# Altium PCB PCB1.PcbDoc (part 1 of 2) (continued)
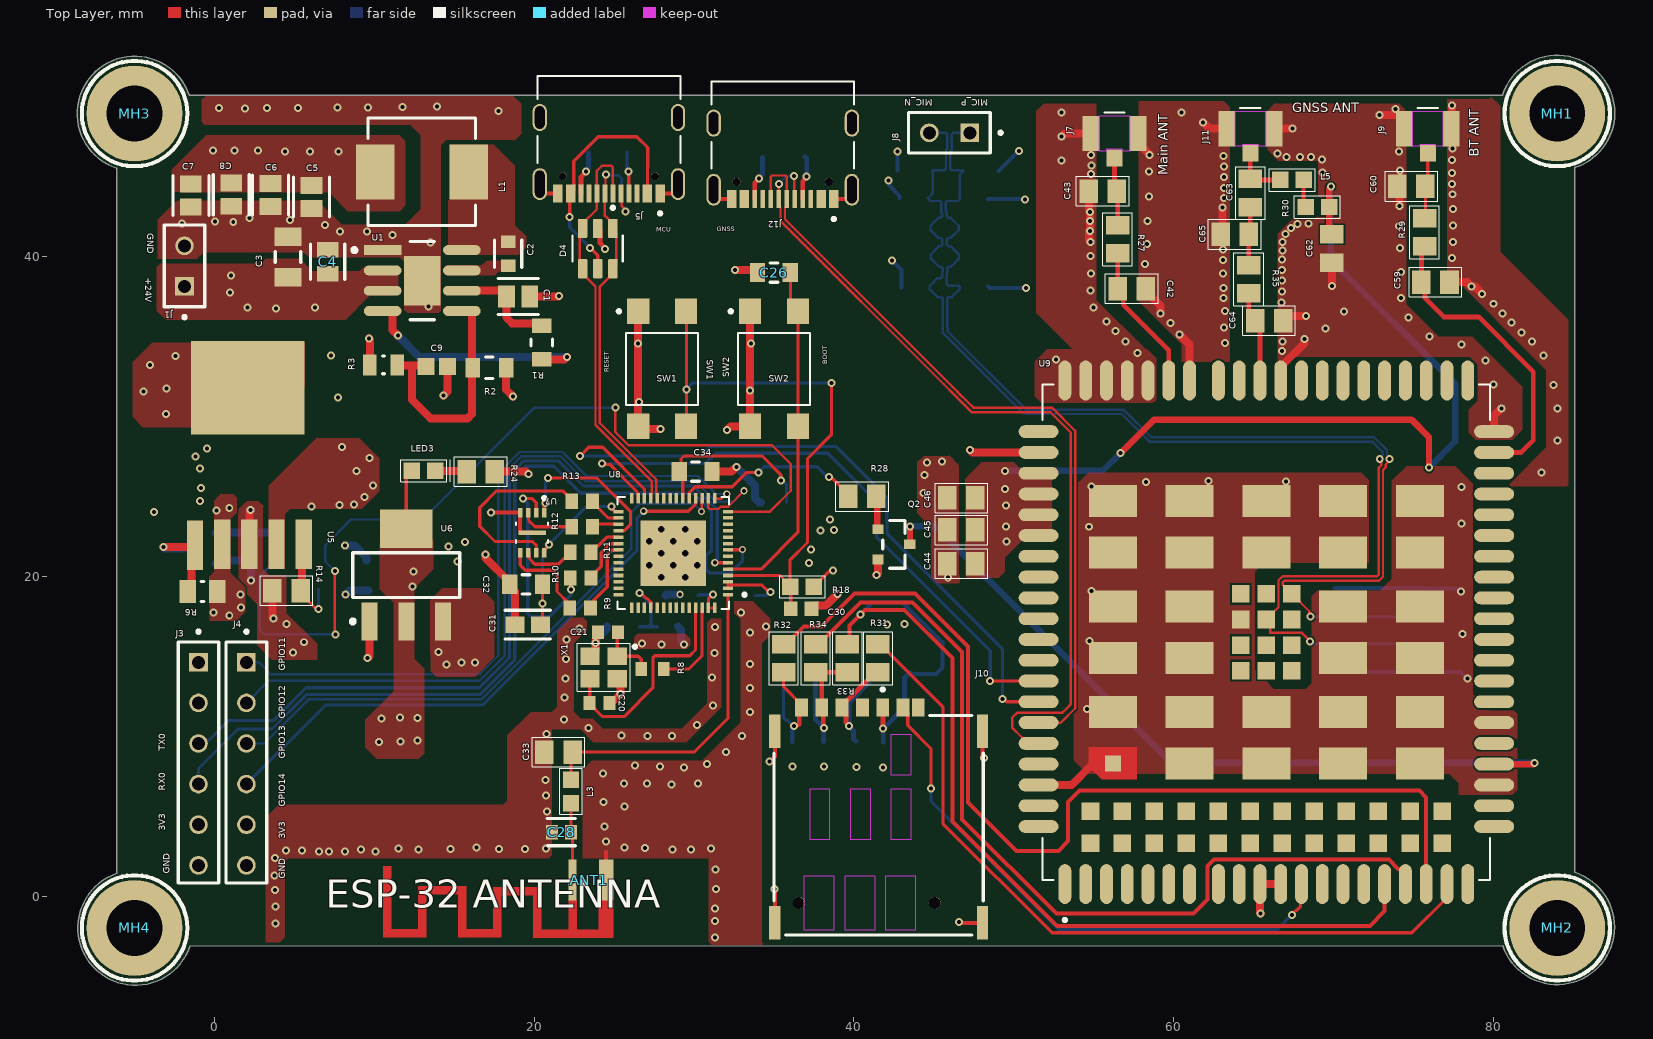
[diagram p0: Top Layer view]
## Footprints (in the part's own frame and the unit in brackets; to place one, negate y for a bottom-side part, rotate by r counter-clockwise, add the part's x,y. Pads: shape width x height; smd on the part's side, far side on the other; paste and mask are expansions set on the pad)
"2.4 GHz PCB antenna" [mm]
  rect 0.5x2.54 smd paste-2 mask+0: 1(2.55,1.275)
  rect 0.9x2.54 smd paste-2 mask+0: 2(0.45,1.275)
  Top Layer region: 0,1.8 0,4.9 0.9,4.9 0.9,1.8
  Top Layer region: 0,4.9 5,4.9 5,4.4 0,4.4
  Top Layer region: 2.3,2.525 2.3,4.9 2.8,4.9 2.8,2.525
  Top Layer region: 4.5,1.725 4.5,4.9 5,4.9 5,1.725
  Top Layer region: 7.5,1.725 4.5,1.725 4.5,2.225 7.5,2.225
  Top Layer region: 7,1.725 7,4.869 7.5,4.869 7.5,1.725
  Top Layer region: 9.7,4.369 7,4.369 7,4.869 9.7,4.869
  Top Layer region: 9.2,1.687 9.2,4.862 9.7,4.862 9.7,1.687
  Top Layer region: 12.2,1.675 9.2,1.675 9.2,2.175 12.2,2.175
  Top Layer region: 11.7,1.675 11.7,4.85 12.2,4.85 12.2,1.675
  Top Layer region: 14.4,4.35 11.7,4.35 11.7,4.85 14.4,4.85
  Top Layer region: 13.9,0.4 13.9,4.825 14.4,4.825 14.4,0.4
8_USON [mm]
  rect 0.6x0.3 smd paste-1 mask+0.025: 1(-1.275,0.725) 2(-1.275,0.225) 3(-1.275,-0.275) 4(-1.275,-0.775) 5(1.225,-0.775) 6(1.225,-0.275) 7(1.225,0.225) 8(1.225,0.725)
  rect 0.3x1.7 smd paste-2 mask+0.025: 9(-0.025,-0.025)
  silkscreen extent -2.28,-1.03 0.61,0.98, body extent -1.52,-1.03 1.48,0.98, height 0.6
Capacitor_0805 [mm]
  rect 1.16x1.47 smd: 1(-0.855,0) 2(0.905,0)
  silkscreen extent -1.63,-0.93 1.67,0.92, body extent -1,-0.63 1,0.63, height 0.95
CAPC1608X90X35LL10T15 [mm] "Chip Capacitor, 2-Leads, Body 1.60x0.80mm, IPC High Density"
  rect 0.75x0.85 smd: 1(-0.625,0) 2(0.625,0)
  body extent -0.85,-0.45 0.85,0.45, height 0.9
CAPC1608X90X35LL15T15 [mm] "Chip Capacitor, 2-Leads, Body 1.60x0.81mm, IPC High Density"
  rect 0.85x0.9 smd: 1(-0.65,0) 2(0.65,0)
  body extent -0.88,-0.48 0.88,0.48, height 0.9
CAPC1608X90X40ML10T20 [mm] "Chip Capacitor, 2-Leads, Body 1.7x0.9mm, IPC Low Density"
  rect 1.05x1.05 smd: 1(-0.675,0) 2(0.675,0)
  body extent -0.85,-0.45 0.85,0.45, height 0.9
EC200UEUAA-N05-SGNSA [mm]
  oval 2.5x0.8 smd: 1(-15.75,12.6) 2(-15.75,11.3) 3(-15.75,10) 4(-15.75,8.7) 5(-15.75,7.4) 6(-15.75,6.1) 7(-15.75,4.8) 8(-15.75,0.4) 9(-15.75,-0.9) 10(-15.75,-2.2) 11(-15.75,-3.5) 12(-15.75,-4.8) 13(-15.75,-6.1) 14(-15.75,-7.4) 15(-15.75,-8.7) 16(-15.75,-10) 17(-15.75,-11.3) 18(-15.75,-12.6) 37(15.75,-12.6) 38(15.75,-11.3) 39(15.75,-10) 40(15.75,-8.7) 41(15.75,-7.4) 42(15.75,-6.1) 43(15.75,-4.8) 44(15.75,-3.5) 45(15.75,-2.2) 46(15.75,-0.9) 47(15.75,0.4) 48(15.75,4.8) 49(15.75,6.1) 50(15.75,7.4) 51(15.75,8.7) 52(15.75,10) 53(15.75,11.3) 54(15.75,12.6) 141(-15.75,3) 142(-15.75,1.7) 143(15.75,1.7) 144(15.75,3)
  oval 0.8x2.5 smd: 19(-9.55,-14.25) 20(-8.25,-14.25) 21(-6.95,-14.25) 22(-5.65,-14.25) 23(-4.35,-14.25) 24(-3.05,-14.25) 25(-1.75,-14.25) 26(-0.45,-14.25) 27(0.85,-14.25) 28(2.15,-14.25) 29(3.45,-14.25) 30(4.75,-14.25) 31(6.05,-14.25) 32(7.35,-14.25) 33(8.65,-14.25) 34(9.95,-14.25) 35(11.25,-14.25) 36(12.55,-14.25) 55(12.55,14.25) 56(11.25,14.25) 57(9.95,14.25) 58(8.65,14.25) 59(7.35,14.25) 60(6.05,14.25) 61(4.75,14.25) 62(3.45,14.25) 63(2.15,14.25) 64(0.85,14.25) 65(-0.45,14.25) 66(-1.75,14.25) 67(-3.05,14.25) 68(-4.35,14.25) 69(-5.65,14.25) 70(-6.95,14.25) 71(-8.25,14.25) 72(-9.55,14.25) 113(-10.85,14.25) 114(-12.15,14.25) 115(-10.85,-14.25) 116(-12.15,-14.25)
  rect 1.1x1.1 smd: 73(2.4,1.6) 74(2.4,0) 75(2.4,-1.6) 76(0.8,1.6) 77(0.8,0) 78(0.8,-1.6) 79(-0.8,1.6) 80(-0.8,0) 81(-0.8,-1.6) 82(-2.4,1.6) 83(-2.4,0) 84(-2.4,-1.6) 117(-11.2,11) 118(-11.2,9) 119(-11.2,7) 120(-11.2,5) 121(-11.2,3) 122(-11.2,1) 123(-11.2,-1) 124(-11.2,-3) 125(-11.2,-5) 126(-11.2,-7) 127(-11.2,-9) 128(-11.2,-11) 129(-13.2,11) 130(-13.2,9) 131(-13.2,7) 132(-13.2,5) 133(-13.2,3) 134(-13.2,1) 135(-13.2,-1) 136(-13.2,-3) 137(-13.2,-5) 138(-13.2,-7) 139(-13.2,-9) 140(-13.2,-11)
  rect 2x3 smd: 85(8.2,9.6) 86(8.2,4.8) 87(8.2,0) 88(8.2,-4.8) 89(8.2,-9.6) 90(5,9.6) 91(5,4.8) 92(5,0) 93(5,-4.8) 94(5,-9.6) 95(1.6,9.6) 96(1.6,4.8) 97(1.6,-4.8) 98(1.6,-9.6) 99(-1.6,9.6) 100(-1.6,4.8) 101(-1.6,-4.8) 102(-1.6,-9.6) 103(-5,9.6) 104(-5,4.8) 105(-5,0) 106(-5,-4.8) 107(-5,-9.6) 109(-8.2,4.8) 110(-8.2,0) 111(-8.2,-4.8) 112(-8.2,-9.6)
  rect 1x1 smd paste-1 mask+0: 108(-8.2,9.6)
  Top Layer region: -7.2,8.1 -9.2,8.1 -9.2,10.3 -8.4,11.1 -7.2,11.1
  silkscreen extent -18.1,-14 15.5,14, body extent -15.5,-14 15.5,14, height 2.35
ESP32S3 [mm]
  rect 0.65x0.22 smd mask+0.045: 1(-3.425,2.6) 2(-3.425,2.2) 3(-3.425,1.8) 4(-3.425,1.4) 5(-3.425,1) 6(-3.425,0.6) 7(-3.425,0.2) 8(-3.425,-0.2) 9(-3.425,-0.6) 10(-3.425,-1) 11(-3.425,-1.4) 12(-3.425,-1.8) 13(-3.425,-2.2) 14(-3.425,-2.6) 29(3.425,-2.6) 30(3.425,-2.2) 31(3.425,-1.8) 32(3.425,-1.4) 33(3.425,-1) 34(3.425,-0.6) 35(3.425,-0.2) 36(3.425,0.2) 37(3.425,0.6) 38(3.425,1) 39(3.425,1.4) 40(3.425,1.8) 41(3.425,2.2) 42(3.425,2.6)
  rect 0.22x0.65 smd mask+0.045: 15(-2.6,-3.425) 16(-2.2,-3.425) 17(-1.8,-3.425) 18(-1.4,-3.425) 19(-1,-3.425) 20(-0.6,-3.425) 21(-0.2,-3.425) 22(0.2,-3.425) 23(0.6,-3.425) 24(1,-3.425) 25(1.4,-3.425) 26(1.8,-3.425) 27(2.2,-3.425) 28(2.6,-3.425) 43(2.6,3.425) 44(2.2,3.425) 45(1.8,3.425) 46(1.4,3.425) 47(1,3.425) 48(0.6,3.425) 49(0.2,3.425) 50(-0.2,3.425) 51(-0.6,3.425) 52(-1,3.425) 53(-1.4,3.425) 54(-1.8,3.425) 55(-2.2,3.425) 56(-2.6,3.425)
  rect 4.1x4.1 smd paste-1.55: 57(0,0)
  round 0.5 hole 0.4 mask+0: 58(-0.75,1.5) 59(0.75,1.5) 60(-1.5,0.75) 61(0,0.75) 62(1.5,0.75) 63(-0.75,0) 64(0.75,0) 65(-1.5,-0.75) 66(0,-0.75) 67(1.5,-0.75) 68(-0.75,-1.5) 69(0.75,-1.5)
  silkscreen extent -4.55,-3.5 3.5,3.5, body extent -3.5,-3.5 3.5,3.5, height 0.9
FB_0805 [mm]
  rect 1.14x1.47 smd: 1(-0.84,0) 2(0.94,0)
  body extent -0.95,-0.63 1.05,0.63, height 1.05
FP-C0603C-CF-MFG [mm]
  rect 0.75x0.9 smd paste+0 mask+0: 1(-0.6,0) 2(0.6,0)
  silkscreen extent -0.87,-0.85 0.88,0.85, body extent -0.8,-0.4 0.8,0.4, height 0.87
FP-C0805C-DN-MFG [mm]
  rect 0.95x1.35 smd paste+0 mask+0: 1(-0.75,0) 2(0.75,0)
  silkscreen extent -1.1,-1.07 1.1,1.07, body extent -1.4,-0.85 1.4,0.85, height 0.25
FP-CC0603-DA-MFG [mm]
  rect 0.8x0.9 smd paste+0 mask+0: 1(-0.75,0) 2(0.75,0)
  silkscreen extent -0.85,-0.85 0.85,0.85, body extent -1.35,-0.75 1.35,0.75, height 0.25
FP-CGA3E-0_3-0_1-IPC_A [mm]
  rect 0.956x1.206 smd paste+0 mask+0: 1(-1.025,0) 2(1.025,0)
  silkscreen extent -0.25,-0.6 0.25,0.6, body extent -0.8,-0.4 0.8,0.4, height 1.1
FP-CL21-IPC_C [mm]
  rect 1.055x1.356 smd paste+0 mask+0: 1(-0.726,0) 2(0.726,0)
  silkscreen extent -1.25,-1.12 1.25,1.12, body extent -1.35,-0.82 1.35,0.82, height 0.25
FP-CL31-IPC_C [mm]
  rect 1.154x1.706 smd paste+0 mask+0: 1(-1.276,0) 2(1.276,0)
  silkscreen extent -0.32,-0.8 0.32,0.8, body extent -1.95,-1 1.95,1, height 0.25
FP-CRCW0805-e3-IPC_B [mm]
  rect 1.007x1.408 smd paste+0 mask+0: 1(-0.951,0) 2(0.951,0)
  silkscreen extent -0.07,-0.62 0.07,0.63, body extent -1,-0.62 1,0.63, height 0.5
FP-DDA0008J-IPC_A [mm]
  rect 2.353x0.622 smd paste+0 mask+0: 1(-2.477,1.905)
  rrect100% 2.353x0.622 smd paste+0 mask+0: 2(-2.477,0.635) 3(-2.477,-0.635) 4(-2.477,-1.905) 5(2.477,-1.905) 6(2.477,-0.635) 7(2.477,0.635) 8(2.477,1.905)
  rect 2.3x3.1 smd paste-1000 mask+0: 9(0,0)
  silkscreen extent -4.37,-2.45 0.75,2.45, body extent -3,-2.45 3,2.45, height 1.7
FP-GRM188-0_1-e0_2_0_55-IPC_A [mm]
  rect 1.208x1.012 smd paste+0 mask+0: 1(-0.802,0) 2(0.802,0)
  silkscreen extent -1.41,-0.91 1.41,0.91, body extent -0.8,-0.4 0.8,0.4, height 0.9
FP-IHLP-2525CZ-FP_2_413x3-MFG [mil]
  rect 95x135 smd paste+0 mask+0: 1(-115,0) 2(115,0)
  silkscreen extent -132,-132 132,132, body extent -166,-136 166,136, height 10
FP-RT0805-MFG [mm]
  rect 0.9x1.2 smd paste+0 mask+0: 1(-1.05,0) 2(1.05,0)
  silkscreen extent -0.23,-0.67 0.23,0.67, body extent -1.6,-0.77 1.6,0.77, height 0.25
FP-SOT23-MFG [mm]
  rect 0.7x0.6 smd paste-1000 mask+0: 1(-1,0.95) 2(-1,-0.95) 3(1,0)
  silkscreen extent -0.7,-1.5 0.7,1.5, body extent -1.2,-1.45 1.2,1.45, height 1.1
FP-T491D477K006AT-MFG [mm]
  rect 1.99x2.33 smd paste+0 mask+0: 1(-3.01,0) 2(3.01,0)
  silkscreen extent -3.8,-2.3 4.9,2.3, body extent -3.65,-2.15 3.65,2.15, height 3.1
"Header 1x2 2.54mm" [mm]
  rect 1.163x1.163 / inner round 1.163 / far side rect 1.163x1.163 hole 0.813: 1(0,0.04)
  round 1.163 hole 0.813: 2(0,-2.5)
  silkscreen extent -1.27,-3.8 1.27,2.06, body extent -1.35,-3.84 1.15,1.24, height 9.51
Header_1X6_2.54mm [mil]
  rect 45.78x45.78 / inner round 45.78 / far side rect 45.78x45.78 hole 32: 1(0,0)
  round 45.78 hole 32: 2(0,-100) 3(0,-200) 4(0,-300) 5(0,-400) 6(0,-500)
  silkscreen extent -50,-543 50,80, body extent -43,-545 50,45, height 439
Inductor_0603 [mm]
  rect 1.04x1.02 smd: 1(-0.735,0) 2(0.735,0)
  silkscreen extent -1.42,-0.7 1.45,0.7, body extent -0.8,-0.43 0.8,0.43, height 0.52
LED_YELLOW_0603 [mm]
  rect 1.04x1.02 smd: 1(0.735,0) 2(-0.735,0)
  silkscreen extent -1.42,-0.7 1.68,0.7, body extent -0.8,-0.43 0.8,0.38, height 0.55
MOUNTING [mm]
  round 6 hole 3.5: 1(0,-0.05)
  silkscreen extent -3.3,-3.35 3.3,3.25
RESC0805(2012)_L [mm] "Chip Resistor, Body 2.0x1.3mm, IPC High Density"
  rect 0.85x1.3 smd: 1(-0.85,0) 2(0.85,0)
  silkscreen extent -0.05,-0.55 0.05,0.55, body extent -1.1,-0.67 1.1,0.68, height 0.7
RESC1608X55X25NL10T15 [mm] "Chip Resistor, 2-Leads, Body 1.70x0.90mm, IPC Medium Density"
  rect 0.7x0.9 smd: 1(-0.7,0) 2(0.7,0)
  body extent -0.85,-0.45 0.85,0.45, height 0.55
RESC1609X50X30NL8T20 [mm] "Chip Resistor, 2-Leads, Body 1.65x0.95mm, IPC Medium Density"
  rect 0.8x0.95 smd: 1(-0.65,0) 2(0.65,0)
  body extent -0.82,-0.48 0.82,0.48, height 0.5
RESC2013X50X30NL20T20 [mm] "Chip Resistor, 2-Leads, Body 2.00x1.25mm, IPC Medium Density"
  rect 1.05x1.45 smd: 1(-0.925,0) 2(0.925,0)
  silkscreen extent -0.1,-0.63 0.1,0.63, body extent -1.1,-0.73 1.1,0.73, height 0.5
RESC2013X60X35NL10T20 [mm] "Chip Resistor, 2-Leads, Body 2.1x1.35mm, IPC Medium Density"
  rect 1x1.35 smd: 1(-0.9,0) 2(0.9,0)
  silkscreen extent -0.1,-0.58 0.1,0.58, body extent -1.05,-0.68 1.05,0.67, height 0.6
Resistor_0603 [mm]
  rect 1.04x1.02 smd: 1(-0.735,0) 2(0.735,0)
  silkscreen extent -1.42,-0.7 1.45,0.7, body extent -0.8,-0.43 0.8,0.43, height 0.52
Resistor_0805 [mm]
  rect 1.16x1.47 smd: 1(-0.855,0) 2(0.905,0)
  silkscreen extent -1.63,-0.92 1.67,0.92, body extent -1,-0.65 1,0.6, height 0.66
SIM [mm]
  rect 0.8x1.14 smd: C1(0.35,7.37) C2(-2.19,7.37) C3(-4.73,7.37) C5(1.62,7.37) C6(-0.92,7.37) C7(-3.46,7.37) CD(2.57,7.37)
  rect 0.7x2.1 smd: G1(-6.4,5.89) G2(6.6,5.89) G3(-6.4,-6.11) G4(6.6,-6.11)
  round 0.75 hole 0.75 unplated: ""(-4.9,-4.86) ""(3.6,-4.86)
  Keep-Out Layer region: -2.98,-0.915 -4.18,-0.915 -4.18,2.295 -2.98,2.295
  Keep-Out Layer region: -0.44,-0.915 -1.64,-0.915 -1.64,2.295 -0.44,2.295
  Keep-Out Layer region: 2.1,-0.915 0.9,-0.915 0.9,2.295 2.1,2.295
  Keep-Out Layer region: 2.385,-6.56 0.535,-6.56 0.535,-3.16 2.385,-3.16
  Keep-Out Layer region: -2.695,-6.56 -4.545,-6.56 -4.545,-3.16 -2.695,-3.16
  Keep-Out Layer region: -0.155,-6.56 -2.005,-6.56 -2.005,-3.16 -0.155,-3.16
  Keep-Out Layer region: 2.1,3.135 0.9,3.135 0.9,5.685 2.1,5.685
  silkscreen extent -6.45,-6.86 6.64,8.59, body extent -6.54,-6.84 6.55,7.74, height 1.44
SMD2520-4P [mm]
  rect 1.2x1.1 smd: 1(-0.8,-0.7) 2(0.9,-0.7) 3(0.9,0.7) 4(-0.8,0.7)
  silkscreen extent -2,-1.5 1.7,1.5, body extent -1.25,-1 1.25,1, height 0.9
SOT323#1 [mm]
  rect 0.6x0.6 smd: A(1.252,-0.124) C(-0.948,-0.124)
  silkscreen extent -1.5,-0.89 1.8,0.58, body extent -1.19,-0.77 1.49,0.53
SOT323#2 [mm]
  rect 0.6x0.6 smd: A(1.252,0.124) C(-0.948,0.124)
  silkscreen extent -1.5,-0.58 1.8,0.89, body extent -1.19,-0.53 1.49,0.77, height 1.15
SOT-23-6 [mm]
  rrect25% 1.21x0.59 smd: 1(-1.255,0.925) 2(-1.255,-0.025) 3(-1.255,-0.975) 4(1.255,-0.975) 5(1.255,-0.025) 6(1.255,0.925)
  silkscreen extent -2.65,-1.59 0.81,1.54, body extent -1.4,-1.49 1.4,1.44, height 1.4
SOT-223 [mm]
  rect 2.4x1 smd: 1(-3.026,2.3) 2(-3.026,0) 3(-3.026,-2.3)
  rect 2.4x3.3 smd: 4(2.774,0)
  silkscreen extent -3.15,-3.35 1.27,3.47, body extent -3.88,-3.25 3.12,3.25, height 1.7
SW_Tactile_SMD [mm]
  rect 1.4x1.6 smd: 1(-1.5,3.575) 2(-1.5,-3.625) 3(1.5,3.575) 4(1.5,-3.625)
  silkscreen extent -2.8,-2.28 2.25,3.67, body extent -2.25,-3.78 2.25,3.72, height 3.8
TO-263-5 [mm]
  rect 1.02x3.08 smd: 1(0,-0.05) 2(1.7,0) 3(3.4,0) 4(5.1,0) 5(6.8,0)
  rect 7.1x5.85 smd: 6(3.3,9.8)
  body extent -1.68,-1.12 8.48,13.79, height 4.84
TYPE-C-31-M-12 [mm]
  rect 0.6x1.14 smd mask+0.05: A1_B12(-3.2,4.75) A4_B9(-2.4,4.75) B1_A12(3.2,4.75) B4_A9(2.4,4.75)
  rect 0.3x1.14 smd mask+0.05: A5(-1.25,4.75) A6(-0.25,4.75) A7(0.25,4.75) A8(1.25,4.75) B5(1.75,4.75) B6(0.75,4.75) B7(-0.75,4.75) B8(-1.75,4.75)
  oval 0.9x2 hole 0.6 slot 1.7 at 90 deg: S1(-4.325,4.17) S2(4.325,4.17)
  oval 0.9x1.7 hole 0.6 slot 1.4 at 90 deg: S3(-4.325,0) S4(4.325,0)
  round 0.5 hole 0.5 unplated: ""(-2.89,3.68) ""(2.89,3.68)
  silkscreen extent -4.47,-2.6 4.47,6.1, body extent -4.47,-2.6 4.47,5.31, height 3.31
UFL [mm]
  rect 1x1.05 smd paste-0.1: 1(0,-1.525)
  rect 1.05x2.2 smd paste-2: 2(-1.475,0) 3(1.475,0)
  Keep-Out Layer region: 0.95,-1.1 0.5,-1.1 0.5,-1 -0.5,-1 -0.5,-1.1 -0.95,-1.1 -0.95,1.1 0.95,1.1
  silkscreen extent -0.63,1.3 0.63,1.3, body extent -1.48,-1.55 1.52,1.55, height 1.26

## Part data
ANT1: library part "2.4 GHz PCB antenna"
C1: library part CMP-13271-001433-1, "CL21 Series 0805 1uF 50V ±10% Tolerance X7R Multilayer Ceramic Chip Capacitor", Case Code (Imperial)=0805, Case Code (Metric)=2012, Dielectric=X7R, Max Operating Temperature=125°C, Min Operating Temperature=-55°C, Package Quantity=3000, Tolerance=10%, Voltage=50V, Capacitance=1uF, Case/Package=0805, Contact Plating=Tin, Depth=1.25mm, Length=2mm, Material=Ceramic, Mount="Surface Mount", Packaging="Tape and Reel", Termination=Wraparound, Thickness=0.053inch, Voltage Rating=50V, Width=0.049inch
C2: library part CMP-2100-03601-2, "CAP CER 0.1UF 50V X7R 0603", Capacitance="100 nF", Manufacturer=YAGEO, Manufacturer Part Number=CC0603KRX7R9BB104, Package=CC0603-DA, Temperature="-55°C to +125°C", Temperature Characteristic=X7R, Temperature Coefficient=15%, Temperature Range High=+125°C, Temperature Range Low=-55°C, Tolerance=0.1, Voltage="50 V", Automotive=No, Category=Cap, ComponentLink2Description=Datasheet, ComponentLink2URL=http://www.yageo.com/documents/recent/UPY-GPHC_X7R_6.3V-to-50V_18.pdf, Device Class L1="Passive Components", Device Class L2=Capacitors, Device Class L3="Ceramic Capacitors", Digikey Description="CAP CER 0.1UF 50V X7R 0603", Footprint Url=http://www.yageo.com/exep/pages/download/literatures/UPY-C_GEN_24.pdf, Height=0.9mm, Lead Free=Yes, Material=Ceramic, Mouser Description="Multilayer Ceramic Capacitor, CC Series, 0.1 - F, - 10%, X7R, 50 V, 0603 [1608 Metric]", Octopart=https://octopart.com/cc0603krx7r9bb104-yageo-42244635, RoHS=TRUE, Voltage Rating="50 V"
C3: library part CMP-13271-000016-1, "CAP CER 10UF 50V X5R 1206", Manufacturer=Samsung, Manufacturer Part Number=CL31A106KBHNNNE, Package=CL31, Temperature="-55°C to +85°C", Temperature Characteristic=X5R, Temperature Coefficient=15%, Temperature Range High=+85°C, Temperature Range Low=-55°C, Tolerance=10%, Voltage=50V, Automotive=No, Capacitance=10uF, Category=Cap, ComponentLink2Description=Datasheet, ComponentLink2URL=http://www.samsungsem.com/kr/support/product-search/mlcc/__icsFiles/afieldfile/2018/06/21/CL31A106KBHNNNE.pdf, Device Class L1="Passive Components", Device Class L2=Capacitors, Device Class L3="Ceramic Capacitors", Digikey Description="CAP CER 10UF 50V X5R 1206", Height=1.8mm, Ipc Land Pattern Name=CAPC320160X160, Lead Free=Yes, Material=Ceramic, Octopart=https://octopart.com/cl31a106kbhnnne-samsung-19832778, RoHS=TRUE, Voltage Rating=50V
C4: library part CMP-1036-04552-2, "CAP CER 0.22UF 50V X7R 0805", Capacitance="0.22 μF", Manufacturer=KEMET, Manufacturer Part Number=C0805C224K5RACTU, Package=C0805C-DN, Temperature="-55°C to +125°C", Temperature Characteristic=X7R, Temperature Coefficient=30ppm/°C, Temperature Range High=+125°C, Temperature Range Low=-55°C, Tolerance=0.1, Voltage Rating="50 V", Automotive=No, Category=Cap, ComponentLink2Description=Datasheet, ComponentLink2URL=https://content.kemet.com/datasheets/KEM_C1003_C0G_SMD.pdf, Device Class L1="Passive Components", Device Class L2=Capacitors, Device Class L3="Ceramic Capacitors", Digikey Description="CAP CER 0.22UF 50V X7R 0805", Height=0.88mm, Ipc Land Pattern Name=CAPC200125X78, Lead Free=Yes, Material=Ceramic, Mouser Description="CAP CER 0.22UF 50V X7R 0805", Octopart=https://octopart.com/c0805c224k5ractu-kemet-144670, RoHS=TRUE
C5 C6 C7 C8: library part CMP-13271-002990-1, "CL21 Series 0805 22uF 16V ±20% Tolerance X5R Multilayer Ceramic Chip Capacitor", Case Code (Imperial)=0805, Case Code (Metric)=2012, Max Operating Temperature=85°C, Min Operating Temperature=-55°C, Tolerance=20%, Voltage Rating=16V, Capacitance=22uF, Case/Package=0805, Length=0.079inch, Mount="Surface Mount", Packaging="Tape and Reel", Thickness=0.037inch, Width=0.049inch
C9: library part CMP-2100-03593-1, "Chip Capacitor, 10 pF, +/- 5%, 50 V, -55 to 125 degC, 0603 (1608 Metric), RoHS, Tape and Reel", Case Code (Imperial)=0603, Case Code (Metric)=1608, Dielectric=C0G, Insulation Resistance=100GR, Manufacturer=Yageo, Max Operating Temperature=125degC, Min Operating Temperature=-55degC, Package Description="2-Pin Surface Mount Device, Body 1.6 x 0.8 mm", Package Quantity=1, Temperature Coefficient=30ppm/degC, Tolerance=5%, Voltage=50V, Capacitance=10pF, Case/Package=0603, Composition=Ceramic, Datasheet URL=http://www.yageo.com/documents/recent/UPY-GP_NP0_16V-to-50V_14.pdf, Datasheet Version="Rev. 14, 07/2016", Depth=0.8mm, Height=0.8mm, Lead Free=LeadFree, Length=1.6mm, Manufacturer URL=http://www.yageo.com/, Mount=SurfaceMount, Number of Pins=2, Package Reference=0603, Packaging=TapeandReel, Radiation Hardening=No, REACH SVHC=NoSVHC, RoHSCompliant=True, Termination=SMD/SMT, Thickness=0.035inch, Voltage Rating=50V, Voltage Rating (DC)=50V, Width=0.031inch
C10 C11: library part CMP-03017-000053-1, "CAP TANT 470UF 10% 6.3V 2917", Case Code (Imperial)=2917, Case Code (Metric)=7343, Dielectric Material=Tantalum, ESR (Equivalent Series Resistance)=400mR, Leakage Current=19.8uA, Max Operating Temperature=125°C, Min Operating Temperature=-55°C, Package Quantity=1, Ripple Current=612mA, Tolerance=10%, Voltage Rating=6.3V, Capacitance=470uF, Case/Package=2917, Construction=Flat, Depth=4.3mm, Dissipation Factor=12%, Failure Rate=0.001%, Features="General Purpose", Height=3.1mm, Height - Seated (Max)=0.122inch, Lead Free="Lead Free", Length=7.3mm, Life (Hours)=2000Hour, Mount="Surface Mount", Number of Pins=2, Packaging="Tape and Reel", Polarity=Polar, Radiation Hardening=No, REACH SVHC="No SVHC", RoHS Compliant=Yes, Series=T491, Termination=SMD/SMT, Voltage Rating (DC)=6.3V, Weight=0.023634oz, Width=0.169inch
C12 C14 C15 C17 C61 C62: library part "CAP .1 UF", "Cap Ceramic 0.1uF 100V X7R 10% Pad SMD 0805 Fail Safe with Soft Termination 125C Automotive T/R", Case Code (Imperial)=0805, Case Code (Metric)=2012, Manufacturer=Murata, Manufacturer Part Number=GCE21BR72A104KA01L, Max Operating Temperature=125°C, Min Operating Temperature=-55°C, Ratings=AEC-Q200, Supplier Part Number=81-GCE21BR72A104KA1L, Tolerance=10%, Voltage Rating=100V, Case/Package=0805, Category="Ceramic Capacitors", ComponentLink1Description=http://search.murata.co.jp/Ceramy/image/img/A01X/partnumbering_e_02.pdf?src-supplier=Digikey, ComponentLink1URL=http://search.murata.co.jp/Ceramy/image/img/A01X/partnumbering_e_02.pdf?src-supplier=Digikey, ComponentLink2Description=http://search.murata.co.jp/Ceramy/image/img/A01X/G101/ENG/GCE21BR72A104KA01-01.pdf?src-supplier=Digikey, ComponentLink2URL=http://search.murata.co.jp/Ceramy/image/img/A01X/G101/ENG/GCE21BR72A104KA01-01.pdf?src-supplier=Digikey, Features="Soft Termination", Height=1.45mm, Lead Free="Lead Free", Length=2mm, Material=4241ConductorMaterial, Mounting Technology="Surface Mount", Packaging="Cut Tape", Pricing="1=0,25, 10=0,152, 50=0,152, 100=0,1, 1000=0,073, 10000=0,055 (USD)", RoHS=Yes, RoHS Compliant=Yes, Series=GCE, Stock=45477, Supplier=Mouser, Thickness=1.25mm, Width=1.25mm
C13 C19: library part "CAP 10uF 0805", "16V 10uF X7R ±10% 0805 Multilayer Ceramic Capacitors MLCC - SMD/SMT ROHS", Case Code (Imperial)=0805, Case Code (Metric)=2012, Dielectric=X7R, Manufacturer=Samsung, Manufacturer Part Number=CL21B106KOQNNNE, Max Operating Temperature=125°C, Min Operating Temperature=-55°C, Package Quantity=1, Supplier Part Number=1276-2872-1-ND, Tolerance=10%, Voltage=16V, Case/Package=0805, Category="Ceramic Capacitors", ComponentLink1Description=https://datasheet.ciiva.com/25794/cl21b106koqnnne-25794472.pdf?src-supplier=Digikey, ComponentLink1URL=https://datasheet.ciiva.com/25794/cl21b106koqnnne-25794472.pdf?src-supplier=Digikey, ComponentLink2Description=https://datasheet.ciiva.com/16428/cl21b106koqnnne-16428887.pdf?src-supplier=Future+Electronics, ComponentLink2URL=https://datasheet.ciiva.com/16428/cl21b106koqnnne-16428887.pdf?src-supplier=Future+Electronics, ComponentLink3Description=https://datasheet.ciiva.com/26920/getdatasheetpartid-355170-26920201.pdf?src-supplier=Verical, ComponentLink3URL=https://datasheet.ciiva.com/26920/getdatasheetpartid-355170-26920201.pdf?src-supplier=Verical, Construction=Flat, Depth=1.25mm, Height=1.25mm, Length=2mm, Material=4241ConductorMaterial, Mounting Technology="Surface Mount", Packaging="Tape and Reel", Pricing="1=0,09, 10=0,037, 100=0,0354 (USD)", Radiation Hardening=No, RoHS=Yes, RoHS Compliant=Yes, Series=CL, Stock=20461, Supplier=Digikey, Thickness=0.055inch, Voltage Rating=16V, Voltage Rating (DC)=16V, Width=0.049inch
C16 C22 C24 C25 C26 C27 C32 C34: library part CMP-2000-07546-2, "Cap Ceramic 100nF 50V X7R 10% Pad SMD 0603 +125°C Automotive T/R", Case Code (Imperial)=0603, Case Code (Metric)=1608, Dielectric=X7R, Max Operating Temperature=125°C, Min Operating Temperature=-55°C, Package Quantity=1, Ratings=AEC-Q200, Tolerance=10%, Voltage=50V, Capacitance=100nF, Case/Package=0603, Composition=Ceramic, Depth=0.8mm, Height=0.8mm, Lead Free="Lead Free", Length=1.6mm, Mount="Surface Mount", Packaging="Tape and Reel", Radiation Hardening=No, REACH SVHC="No SVHC", Termination=SMD/SMT, Thickness=0.035inch, Voltage Rating=50V, Voltage Rating (DC)=50V, Weight=7.1E-05oz, Width=0.8mm
C18 C30: library part CMP-2006-02298-2, Manufacturer=Kemet, Part Number=C0603C105K4RACTU
C20 C21: library part CMP-2006-02592-1, Manufacturer=Murata, Part Number=GRM1885C1H100JA01D
C23 C31: library part CMP-2006-02792-2, "Chip Multilayer Ceramic Capacitors for General Purpose, 0603, 10uF, X5R, 15%, 20%, 6.3V", Case Code (Imperial)=0603, Case Code (Metric)=1608, Dielectric=X5R, Max Operating Temperature=85°C, Min Operating Temperature=-55°C, Package Quantity=4000, Tolerance=20%, Voltage=6.3V, Capacitance=10uF, Case/Package=0603, Depth=0.8mm, Height=0.8mm, Lead Free="Lead Free", Length=1.6mm, Material=Ceramic, Mount="Surface Mount", Packaging="Tape and Reel", Radiation Hardening=No, REACH SVHC="No SVHC", Termination=SMD/SMT, Thickness=0.035inch, Voltage Rating=6.3V, Voltage Rating (DC)=6.3V, Width=0.031inch
C28: library part CMP-1035-00238-3, "CAP CER 3.3PF 50V NP0 0603", Capacitance="3.3 pF", Manufacturer=KEMET, Manufacturer Part Number=C0603C339C5GACTU, Package=C0603C-CF, Temperature="-55°C to +125°C", Temperature Characteristic=C0G, Temperature Coefficient=30ppm/°C, Temperature Range High=+125°C, Temperature Range Low=-55°C, Tolerance="0.25 pF", Voltage Rating="50 V", Automotive=Yes, Automotive Grade="Grade 1", Category=Cap, ComponentLink2Description=Datasheet, ComponentLink2URL=https://api.kemet.com/component-edge/download/datasheet/C0603C100J5GACAUTO.pdf, Device Class L1="Passive Components", Device Class L2=Capacitors, Device Class L3="Ceramic Capacitors", Digikey Description="CAP CER 3.3PF 50V NP0 0603", Height=0.87mm, Lead Free=Yes, Material=Ceramic, Mouser Description="Multilayer Ceramic Capacitors MLCC - SMD/SMT 50volts 3.3pF C0G 0.25%", Octopart=https://octopart.com/c0603c339c5gactu-kemet-3701205, RoHS=TRUE
C33: library part "CAP 3.3 pF 0805", "Multilayer Ceramic Capacitor, 3.3 pF, 50 V, ± 0.1pF, C0G (NP0), 0805 [2012 Metric]", Manufacturer=Yageo, Manufacturer Part Number=CC0805BRNPO9BN3R3, Supplier Part Number=311-4130-1-ND, Category="Ceramic Capacitors", ComponentLink1Description=http://www.mouser.com/ds/2/447/Yageo_UPY-GP_NP0_16V-to-50V_9-358835.pdf?src-supplier=Mouser, ComponentLink1URL=http://www.mouser.com/ds/2/447/Yageo_UPY-GP_NP0_16V-to-50V_9-358835.pdf?src-supplier=Mouser, ComponentLink2Description=https://datasheet.octopart.com/CC0805BRNPO9BN3R3-Yageo-datasheet-151948684.pdf?src-supplier=Newark, ComponentLink2URL=https://datasheet.octopart.com/CC0805BRNPO9BN3R3-Yageo-datasheet-151948684.pdf?src-supplier=Newark, ComponentLink3Description=https://datasheet.octopart.com/CC0805BRNPO9BN3R3-Yageo-datasheet-151948684.pdf?src-supplier=Farnell, ComponentLink3URL=https://datasheet.octopart.com/CC0805BRNPO9BN3R3-Yageo-datasheet-151948684.pdf?src-supplier=Farnell, ComponentLink4Description=http://www.yageo.com/documents/recent/UPY-GP_NP0_16V-to-50V_8.pdf?src-supplier=Avnet, ComponentLink4URL=http://www.yageo.com/documents/recent/UPY-GP_NP0_16V-to-50V_8.pdf?src-supplier=Avnet, ComponentLink5Description=https://www.yageo.com/upload/media/product/productsearch/datasheet/mlcc/UPY-GP_NP0_16V-to-50V_18.pdf?src-supplier=Digikey, ComponentLink5URL=https://www.yageo.com/upload/media/product/productsearch/datasheet/mlcc/UPY-GP_NP0_16V-to-50V_18.pdf?src-supplier=Digikey, ComponentLink6Description=http://www.yageo.com/exep/pages/download/literatures/ProductSelectionGuide%202014_Final_2.pdf?src-supplier=Digikey, ComponentLink6URL=http://www.yageo.com/exep/pages/download/literatures/ProductSelectionGuide%202014_Final_2.pdf?src-supplier=Digikey, ComponentLink7Description=http://www.yageo.com/documents/recent/UPY-GP_NP0_16V-to-50V_9.pdf?src-supplier=Future+Electronics, ComponentLink7URL=http://www.yageo.com/documents/recent/UPY-GP_NP0_16V-to-50V_9.pdf?src-supplier=Future+Electronics, ComponentLink8Description=https://datasheet.octopart.com/CC0805BRNPO9BN3R3-Yageo-datasheet-137700082.pdf?src-supplier=Future+Electronics, ComponentLink8URL=https://datasheet.octopart.com/CC0805BRNPO9BN3R3-Yageo-datasheet-137700082.pdf?src-supplier=Future+Electronics, Halogen Free=5694HalogenFree, Pricing="1=0,13, 10=0,075, 100=0,0453, 1000=0,03028 (USD)", RoHS=Yes, Stock=19725, Supplier=Digikey
C42 C44 C59 C64: library part "Cap_10nF 0805", "Multilayer Ceramic Capacitor, 0.01 uF, 50 V, ï¿½ 10%, X7R, 0805 [2012 Metric]", Case Code (Imperial)=0805, Case Code (Metric)=2012, Dielectric=X7R, Manufacturer=Samsung, Manufacturer Part Number=CL21B103KBANNNC, Max Operating Temperature=125°C, Min Operating Temperature=-55°C, Supplier Part Number=1276-1015-1-ND, Tolerance=10%, Voltage=50V, Case/Package=0805, Category="Ceramic Capacitors", ComponentLink1Description=https://datasheet.ciiva.com/25709/cl21b103kbannnc-25709781.pdf?src-supplier=Digikey, ComponentLink1URL=https://datasheet.ciiva.com/25709/cl21b103kbannnc-25709781.pdf?src-supplier=Digikey, ComponentLink2Description=https://datasheet.ciiva.com/29199/455082-da-01-en-vs-kondensator-0805-29199459.pdf?src-supplier=Conrad, ComponentLink2URL=https://datasheet.ciiva.com/29199/455082-da-01-en-vs-kondensator-0805-29199459.pdf?src-supplier=Conrad, Construction=Flat, Depth=1.25mm, Height=0.65mm, Lead Free="Lead Free", Length=2mm, Material=Ceramic, Mounting Technology="Surface Mount", Packaging="Tape and Reel", Pins=2, Pricing="1=0,08, 10=0,011, 100=0,0096, 1000=0,0072 (USD)", Radiation Hardening=No, RoHS=Yes, RoHS Compliant=Yes, Series=CL, Stock=2729, Supplier=Digikey, Voltage Rating=50V, Voltage Rating (DC)=50V
C43 C60 C63 C65: library part "CAP 100pF 0805", "0805 100 pF 50 V ±5 % Tolerance NP0 SMT Multilayer Ceramic Capacitor", Case Code (Imperial)=0805, Case Code (Metric)=2012, Dielectric=C0G, Dielectric Material=Ceramic, Insulation Resistance=100GR, Manufacturer=Yageo, Manufacturer Part Number=CC0805JRNPO9BN101, Max Operating Temperature=125°C, Min Operating Temperature=-55°C, Package Quantity=4000, Temperature Coefficient=30ppm/°C, Tolerance=5%, Voltage Rating=50V, Case/Package=0805, Category="Ceramic Capacitors", ComponentLink1Description=https://datasheet.ciiva.com/5425/upy-gp-np0-16v-to-50v-8-217813-5425504.pdf?src-supplier=Mouser, ComponentLink1URL=https://datasheet.ciiva.com/5425/upy-gp-np0-16v-to-50v-8-217813-5425504.pdf?src-supplier=Mouser, ComponentLink2Description=https://datasheet.ciiva.com/144/mlccorderingcode-144855.pdf?src-supplier=Digikey, ComponentLink2URL=https://datasheet.ciiva.com/144/mlccorderingcode-144855.pdf?src-supplier=Digikey, ComponentLink3Description=https://datasheet.ciiva.com/144/mlccorderingcode-144854.pdf?src-supplier=Digikey, ComponentLink3URL=https://datasheet.ciiva.com/144/mlccorderingcode-144854.pdf?src-supplier=Digikey, ComponentLink4Description=https://datasheet.ciiva.com/144/mlccorderingcode-144856.pdf?src-supplier=Digikey, ComponentLink4URL=https://datasheet.ciiva.com/144/mlccorderingcode-144856.pdf?src-supplier=Digikey, ComponentLink5Description=https://datasheet.ciiva.com/8033/1443161-8033950.pdf?src-supplier=Element14, ComponentLink5URL=https://datasheet.ciiva.com/8033/1443161-8033950.pdf?src-supplier=Element14, ComponentLink6Description=https://datasheet.ciiva.com/11464/upy-gp-np0-16v-to-50v-8-11464745.pdf?src-supplier=Avnet, ComponentLink6URL=https://datasheet.ciiva.com/11464/upy-gp-np0-16v-to-50v-8-11464745.pdf?src-supplier=Avnet, ComponentLink7Description=https://datasheet.ciiva.com/8033/1443161-8033947.pdf?src-supplier=Element14, ComponentLink7URL=https://datasheet.ciiva.com/8033/1443161-8033947.pdf?src-supplier=Element14, ComponentLink8Description=https://datasheet.ciiva.com/26829/getdatasheetpartid-92514-26829509.pdf?src-supplier=Verical, ComponentLink8URL=https://datasheet.ciiva.com/26829/getdatasheetpartid-92514-26829509.pdf?src-supplier=Verical, Depth=1.25mm, Halogen Free=5694HalogenFree, Height=0.6mm, Lead Free="Lead Free", Length=2mm, Material=4241ConductorMaterial, Mounting Technology="Surface Mount", Packaging="Tape and Reel", Pins=2, Pricing="4000=0,0128, 8000=0,0088, 12000=0,0087, 28000=0,0086, 40000=0,0073, 100000=0,0072, 200000=0,005 (USD)", Radiation Hardening=No, Reach SVHC Compliant=No, RoHS=Yes, RoHS Compliant=Yes, Series=CC, Stock=6144000, Supplier="Arrow Electronics", Supplier Part Number=CC0805JRNPO9BN101, Termination=SMD/SMT, Voltage Rating (AC)=50V, Voltage Rating (DC)=50V, Width=1.25mm
C45 C46 C49 C50 C51 C53 C55 C57: library part "CAP 10pF 0805", "Multilayer Ceramic Capacitor, 10 pF, 50 V, ï¿½ 5%, C0G (NP0), 0805 [2012 Metric]", Manufacturer=Yageo, Manufacturer Part Number=CC0805JRNPO9BN100, Supplier Part Number=311-1099-1-ND, Temperature Coefficient=30ppm/°C, Category="Ceramic Capacitors", ComponentLink1Description=https://datasheet.ciiva.com/144/mlccorderingcode-144670.pdf?src-supplier=Digikey, ComponentLink1URL=https://datasheet.ciiva.com/144/mlccorderingcode-144670.pdf?src-supplier=Digikey, ComponentLink2Description=https://datasheet.ciiva.com/144/mlccorderingcode-144671.pdf?src-supplier=Digikey, ComponentLink2URL=https://datasheet.ciiva.com/144/mlccorderingcode-144671.pdf?src-supplier=Digikey, ComponentLink3Description=https://datasheet.ciiva.com/144/mlccorderingcode-144672.pdf?src-supplier=Digikey, ComponentLink3URL=https://datasheet.ciiva.com/144/mlccorderingcode-144672.pdf?src-supplier=Digikey, ComponentLink4Description=https://datasheet.ciiva.com/11464/upy-gp-np0-16v-to-50v-8-11464744.pdf?src-supplier=Avnet, ComponentLink4URL=https://datasheet.ciiva.com/11464/upy-gp-np0-16v-to-50v-8-11464744.pdf?src-supplier=Avnet, Halogen Free=5694HalogenFree, Lead Free=5697LeadFree, Pins=2NUMBER, Pricing="1=0,1, 10=0,048, 100=0,0284, 1000=0,01828 (USD)", RoHS=Yes, Stock=29904, Supplier=Digikey
C47 C48 C52 C54 C56 C58 C66 C67 C68: library part "CAP 33pF", "Multilayer Ceramic Capacitor, 33 pF, 50 V, ï¿½ 5, C0G (NP0), 0805 [2012 Metric]", Dielectric Material=4241ConductorMaterial, Manufacturer=Yageo, Manufacturer Part Number=CC0805JRNPO9BN330, Temperature Coefficient=30ppm/°C, Voltage Rating (AC)=50V, Category="Ceramic Capacitors", ComponentLink1Description=https://datasheet.ciiva.com/8033/1443161-8033942.pdf?src-supplier=Element14, ComponentLink1URL=https://datasheet.ciiva.com/8033/1443161-8033942.pdf?src-supplier=Element14, ComponentLink2Description=https://datasheet.ciiva.com/8033/1443161-8033944.pdf?src-supplier=Element14, ComponentLink2URL=https://datasheet.ciiva.com/8033/1443161-8033944.pdf?src-supplier=Element14, ComponentLink3Description=https://datasheet.ciiva.com/144/mlccorderingcode-144778.pdf?src-supplier=Digikey, ComponentLink3URL=https://datasheet.ciiva.com/144/mlccorderingcode-144778.pdf?src-supplier=Digikey, ComponentLink4Description=https://datasheet.ciiva.com/144/mlccorderingcode-144779.pdf?src-supplier=Digikey, ComponentLink4URL=https://datasheet.ciiva.com/144/mlccorderingcode-144779.pdf?src-supplier=Digikey, ComponentLink5Description=https://datasheet.ciiva.com/144/mlccorderingcode-144780.pdf?src-supplier=Digikey, ComponentLink5URL=https://datasheet.ciiva.com/144/mlccorderingcode-144780.pdf?src-supplier=Digikey, ComponentLink6Description=https://datasheet.ciiva.com/11464/upy-gp-np0-16v-to-50v-8-11464747.pdf?src-supplier=Avnet, ComponentLink6URL=https://datasheet.ciiva.com/11464/upy-gp-np0-16v-to-50v-8-11464747.pdf?src-supplier=Avnet, ComponentLink7Description=https://datasheet.ciiva.com/29241/445349-da-01-en-kerko-chip-0805-np0-33pf-5proz-50v-g-29241975.pdf?src-supplier=Conrad, ComponentLink7URL=https://datasheet.ciiva.com/29241/445349-da-01-en-kerko-chip-0805-np0-33pf-5proz-50v-g-29241975.pdf?src-supplier=Conrad, Halogen Free=5694HalogenFree, Lead Free=5697LeadFree, Pricing="4000=0,0099, 8000=0,0078, 12000=0,0077, 20000=0,005 (USD)", RoHS=Yes, Stock=532000, Supplier="Arrow Electronics", Supplier Part Number=CC0805JRNPO9BN330